# KiCad board Bus_Card.kicad_pcb (continued)
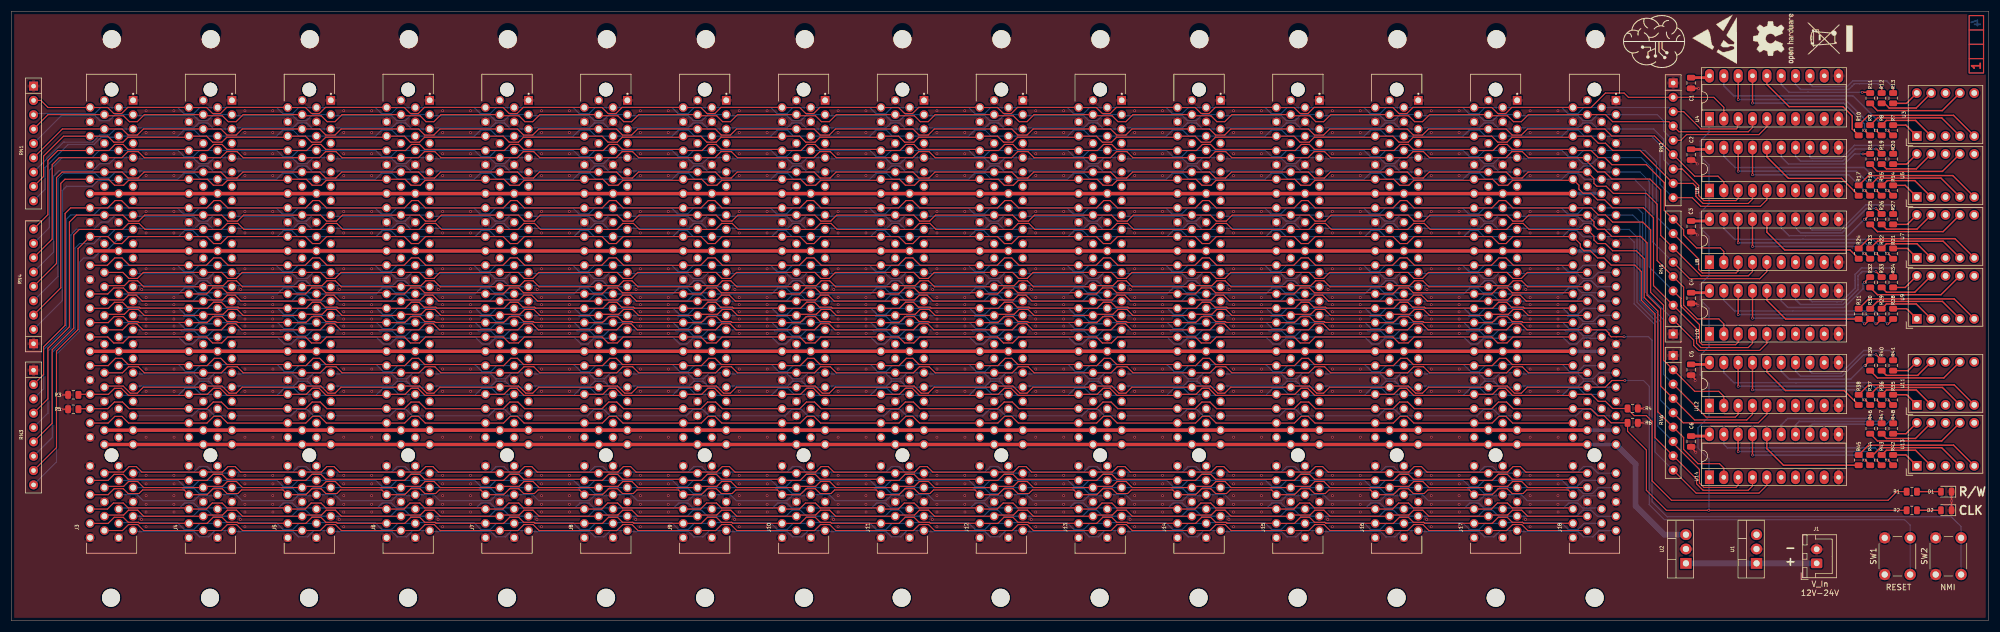
[diagram p0: board, top side]
## Nets (continued)
/RAM_2: J3.A55 J4.A55 J5.A55 J6.A55 J7.A55 J8.A55 J9.A55 J10.A55 J11.A55 J12.A55 J13.A55 J14.A55 J15.A55 J16.A55 J17.A55 J18.A55
/RAM_3: J3.A56 J4.A56 J5.A56 J6.A56 J7.A56 J8.A56 J9.A56 J10.A56 J11.A56 J12.A56 J13.A56 J14.A56 J15.A56 J16.A56 J17.A56 J18.A56
/RAM_4: J3.A58 J4.A58 J5.A58 J6.A58 J7.A58 J8.A58 J9.A58 J10.A58 J11.A58 J12.A58 J13.A58 J14.A58 J15.A58 J16.A58 J17.A58 J18.A58
/RAM_5: J3.A59 J4.A59 J5.A59 J6.A59 J7.A59 J8.A59 J9.A59 J10.A59 J11.A59 J12.A59 J13.A59 J14.A59 J15.A59 J16.A59 J17.A59 J18.A59
/RAM_6: J3.A60 J4.A60 J5.A60 J6.A60 J7.A60 J8.A60 J9.A60 J10.A60 J11.A60 J12.A60 J13.A60 J14.A60 J15.A60 J16.A60 J17.A60 J18.A60
/RAM_7: J3.A61 J4.A61 J5.A61 J6.A61 J7.A61 J8.A61 J9.A61 J10.A61 J11.A61 J12.A61 J13.A61 J14.A61 J15.A61 J16.A61 J17.A61 J18.A61
/ROM_0: J3.B53 J4.B53 J5.B53 J6.B53 J7.B53 J8.B53 J9.B53 J10.B53 J11.B53 J12.B53 J13.B53 J14.B53 J15.B53 J16.B53 J17.B53 J18.B53
/ROM_1: J3.B54 J4.B54 J5.B54 J6.B54 J7.B54 J8.B54 J9.B54 J10.B54 J11.B54 J12.B54 J13.B54 J14.B54 J15.B54 J16.B54 J17.B54 J18.B54
/ROM_2: J3.B55 J4.B55 J5.B55 J6.B55 J7.B55 J8.B55 J9.B55 J10.B55 J11.B55 J12.B55 J13.B55 J14.B55 J15.B55 J16.B55 J17.B55 J18.B55
/ROM_3: J3.B56 J4.B56 J5.B56 J6.B56 J7.B56 J8.B56 J9.B56 J10.B56 J11.B56 J12.B56 J13.B56 J14.B56 J15.B56 J16.B56 J17.B56 J18.B56
/ROM_4: J3.B58 J4.B58 J5.B58 J6.B58 J7.B58 J8.B58 J9.B58 J10.B58 J11.B58 J12.B58 J13.B58 J14.B58 J15.B58 J16.B58 J17.B58 J18.B58
/ROM_5: J3.B59 J4.B59 J5.B59 J6.B59 J7.B59 J8.B59 J9.B59 J10.B59 J11.B59 J12.B59 J13.B59 J14.B59 J15.B59 J16.B59 J17.B59 J18.B59
/ROM_6: J3.B60 J4.B60 J5.B60 J6.B60 J7.B60 J8.B60 J9.B60 J10.B60 J11.B60 J12.B60 J13.B60 J14.B60 J15.B60 J16.B60 J17.B60 J18.B60
/ROM_7: J3.B61 J4.B61 J5.B61 J6.B61 J7.B61 J8.B61 J9.B61 J10.B61 J11.B61 J12.B61 J13.B61 J14.B61 J15.B61 J16.B61 J17.B61 J18.B61
/SYNC/VPA: J3.A38 J4.A38 J5.A38 J6.A38 J7.A38 J8.A38 J9.A38 J10.A38 J11.A38 J12.A38 J13.A38 J14.A38 J15.A38 J16.A38 J17.A38 J18.A38
/~{BE}: J3.A42 J4.A42 J5.A42 J6.A42 J7.A42 J8.A42 J9.A42 J10.A42 J11.A42 J12.A42 J13.A42 J14.A42 J15.A42 J16.A42 J17.A42 J18.A42
/~{H_RAM}: J3.B25 J4.B25 J5.B25 J6.B25 J7.B25 J8.B25 J9.B25 J10.B25 J11.B25 J12.B25 J13.B25 J14.B25 J15.B25 J16.B25 J17.B25 J18.B25
/~{IO}: J3.A24 J4.A24 J5.A24 J6.A24 J7.A24 J8.A24 J9.A24 J10.A24 J11.A24 J12.A24 J13.A24 J14.A24 J15.A24 J16.A24 J17.A24 J18.A24
/~{IRQ_0.0}: J3.A27 J4.A27 J5.A27 J6.A27 J7.A27 J8.A27 J9.A27 J10.A27 J11.A27 J12.A27 J13.A27 J14.A27 J15.A27 J16.A27 J17.A27 J18.A27
/~{IRQ_0.1}: J3.A28 J4.A28 J5.A28 J6.A28 J7.A28 J8.A28 J9.A28 J10.A28 J11.A28 J12.A28 J13.A28 J14.A28 J15.A28 J16.A28 J17.A28 J18.A28
/~{IRQ_0.2}: J3.A29 J4.A29 J5.A29 J6.A29 J7.A29 J8.A29 J9.A29 J10.A29 J11.A29 J12.A29 J13.A29 J14.A29 J15.A29 J16.A29 J17.A29 J18.A29
/~{IRQ_0.3}: J3.A30 J4.A30 J5.A30 J6.A30 J7.A30 J8.A30 J9.A30 J10.A30 J11.A30 J12.A30 J13.A30 J14.A30 J15.A30 J16.A30 J17.A30 J18.A30
/~{IRQ_0.4}: J3.A31 J4.A31 J5.A31 J6.A31 J7.A31 J8.A31 J9.A31 J10.A31 J11.A31 J12.A31 J13.A31 J14.A31 J15.A31 J16.A31 J17.A31 J18.A31
/~{IRQ_0.5}: J3.A32 J4.A32 J5.A32 J6.A32 J7.A32 J8.A32 J9.A32 J10.A32 J11.A32 J12.A32 J13.A32 J14.A32 J15.A32 J16.A32 J17.A32 J18.A32
/~{IRQ_0.6}: J3.A33 J4.A33 J5.A33 J6.A33 J7.A33 J8.A33 J9.A33 J10.A33 J11.A33 J12.A33 J13.A33 J14.A33 J15.A33 J16.A33 J17.A33 J18.A33
/~{IRQ_0.7}: J3.A34 J4.A34 J5.A34 J6.A34 J7.A34 J8.A34 J9.A34 J10.A34 J11.A34 J12.A34 J13.A34 J14.A34 J15.A34 J16.A34 J17.A34 J18.A34
/~{IRQ_0}: J3.B28 J4.B28 J5.B28 J6.B28 J7.B28 J8.B28 J9.B28 J10.B28 J11.B28 J12.B28 J13.B28 J14.B28 J15.B28 J16.B28 J17.B28 J18.B28
/~{IRQ_1}: J3.B29 J4.B29 J5.B29 J6.B29 J7.B29 J8.B29 J9.B29 J10.B29 J11.B29 J12.B29 J13.B29 J14.B29 J15.B29 J16.B29 J17.B29 J18.B29
/~{IRQ_2}: J3.B30 J4.B30 J5.B30 J6.B30 J7.B30 J8.B30 J9.B30 J10.B30 J11.B30 J12.B30 J13.B30 J14.B30 J15.B30 J16.B30 J17.B30 J18.B30
/~{IRQ_3}: J3.B31 J4.B31 J5.B31 J6.B31 J7.B31 J8.B31 J9.B31 J10.B31 J11.B31 J12.B31 J13.B31 J14.B31 J15.B31 J16.B31 J17.B31 J18.B31
/~{IRQ_4}: J3.B32 J4.B32 J5.B32 J6.B32 J7.B32 J8.B32 J9.B32 J10.B32 J11.B32 J12.B32 J13.B32 J14.B32 J15.B32 J16.B32 J17.B32 J18.B32
/~{IRQ}: J3.B27 J4.B27 J5.B27 J6.B27 J7.B27 J8.B27 J9.B27 J10.B27 J11.B27 J12.B27 J13.B27 J14.B27 J15.B27 J16.B27 J17.B27 J18.B27
/~{L_RAM}: J3.B24 J4.B24 J5.B24 J6.B24 J7.B24 J8.B24 J9.B24 J10.B24 J11.B24 J12.B24 J13.B24 J14.B24 J15.B24 J16.B24 J17.B24 J18.B24
/~{ML}: J3.B39 J4.B39 J5.B39 J6.B39 J7.B39 J8.B39 J9.B39 J10.B39 J11.B39 J12.B39 J13.B39 J14.B39 J15.B39 J16.B39 J17.B39 J18.B39
/~{NMI}: J3.B33 J4.B33 J5.B33 J6.B33 J7.B33 J8.B33 J9.B33 J10.B33 J11.B33 J12.B33 J13.B33 J14.B33 J15.B33 J16.B33 J17.B33 J18.B33 SW2.2
/~{RDY}: J3.A41 J4.A41 J5.A41 J6.A41 J7.A41 J8.A41 J9.A41 J10.A41 J11.A41 J12.A41 J13.A41 J14.A41 J15.A41 J16.A41 J17.A41 J18.A41
/~{RES}: J3.B41 J4.B41 J5.B41 J6.B41 J7.B41 J8.B41 J9.B41 J10.B41 J11.B41 J12.B41 J13.B41 J14.B41 J15.B41 J16.B41 J17.B41 J18.B41 SW1.2
/~{ROM}: J3.A25 J4.A25 J5.A25 J6.A25 J7.A25 J8.A25 J9.A25 J10.A25 J11.A25 J12.A25 J13.A25 J14.A25 J15.A25 J16.A25 J17.A25 J18.A25
/~{VP}: J3.B38 J4.B38 J5.B38 J6.B38 J7.B38 J8.B38 J9.B38 J10.B38 J11.B38 J12.B38 J13.B38 J14.B38 J15.B38 J16.B38 J17.B38 J18.B38
VDC: J1.1 U1.1 U2.1
Net-(D1-A): D1.2 R1.2
Net-(D2-A): D2.2 R2.2
Net-(U3-A): R13.2 U3.10
Net-(U3-B): R12.2 U3.9
Net-(U3-C): R11.2 U3.7
Net-(U3-D): R10.2 U3.5
Net-(U3-E): R9.2 U3.4
Net-(U3-F): R8.2 U3.2
Net-(U3-G): R7.2 U3.1
Net-(U4-I03): R9.1 U4.17
Net-(U4-IO1): R7.1 U4.19
Net-(U4-IO2): R8.1 U4.18
Net-(U4-IO4): R10.1 U4.16
Net-(U4-IO5): R11.1 U4.15
Net-(U4-IO6): R12.1 U4.14
Net-(U4-IO7): R13.1 U4.13
Net-(U5-A): R20.2 U5.10
Net-(U5-B): R19.2 U5.9
Net-(U5-C): R18.2 U5.7
Net-(U5-D): R17.2 U5.5
Net-(U5-E): R16.2 U5.4
Net-(U5-F): R15.2 U5.2
Net-(U5-G): R14.2 U5.1
Net-(U6-I03): R16.1 U6.17
Net-(U6-IO1): R14.1 U6.19
Net-(U6-IO2): R15.1 U6.18
Net-(U6-IO4): R17.1 U6.16
Net-(U6-IO5): R18.1 U6.15
Net-(U6-IO6): R19.1 U6.14
Net-(U6-IO7): R20.1 U6.13
Net-(U7-A): R27.2 U7.10
Net-(U7-B): R26.2 U7.9
Net-(U7-C): R25.2 U7.7
Net-(U7-D): R24.2 U7.5
Net-(U7-E): R23.2 U7.4
Net-(U7-F): R22.2 U7.2
Net-(U7-G): R21.2 U7.1
Net-(U8-I03): R23.1 U8.17
Net-(U8-IO1): R21.1 U8.19
Net-(U8-IO2): R22.1 U8.18
Net-(U8-IO4): R24.1 U8.16
Net-(U8-IO5): R25.1 U8.15
Net-(U8-IO6): R26.1 U8.14
Net-(U8-IO7): R27.1 U8.13
Net-(U9-A): R34.2 U9.10
Net-(U9-B): R33.2 U9.9
Net-(U9-C): R32.2 U9.7
Net-(U9-D): R31.2 U9.5
Net-(U9-E): R30.2 U9.4
Net-(U9-F): R29.2 U9.2
Net-(U9-G): R28.2 U9.1
Net-(U10-I03): R30.1 U10.17
Net-(U10-IO1): R28.1 U10.19
Net-(U10-IO2): R29.1 U10.18
Net-(U10-IO4): R31.1 U10.16
Net-(U10-IO5): R32.1 U10.15
Net-(U10-IO6): R33.1 U10.14
Net-(U10-IO7): R34.1 U10.13
Net-(U11-A): R41.2 U11.10
Net-(U11-B): R40.2 U11.9
Net-(U11-C): R39.2 U11.7
Net-(U11-D): R38.2 U11.5
Net-(U11-E): R37.2 U11.4
Net-(U11-F): R36.2 U11.2
Net-(U11-G): R35.2 U11.1
Net-(U12-I03): R37.1 U12.17
Net-(U12-IO1): R35.1 U12.19
Net-(U12-IO2): R36.1 U12.18
Net-(U12-IO4): R38.1 U12.16
Net-(U12-IO5): R39.1 U12.15
Net-(U12-IO6): R40.1 U12.14
Net-(U12-IO7): R41.1 U12.13
Net-(U13-A): R48.2 U13.10
Net-(U13-B): R47.2 U13.9
Net-(U13-C): R46.2 U13.7
Net-(U13-D): R45.2 U13.5
Net-(U13-E): R44.2 U13.4
Net-(U13-F): R43.2 U13.2
Net-(U13-G): R42.2 U13.1
Net-(U14-I03): R44.1 U14.17
Net-(U14-IO1): R42.1 U14.19
Net-(U14-IO2): R43.1 U14.18
Net-(U14-IO4): R45.1 U14.16
Net-(U14-IO5): R46.1 U14.15
Net-(U14-IO6): R47.1 U14.14
Net-(U14-IO7): R48.1 U14.13

Pads without a net: U3 6; U4 6 7 8 9 12; U5 6; U6 6 7 8 9 12; U7 6; U8 6 7 8 9 12; U9 6; U10 6 7 8 9 12; U11 6; U12 6 7 8 9 12; U13 6; U14 6 7 8 9 12

## Via types
v1: diameter 0.46, hole 0.3, Top to Bottom, 752 vias

## Routing (per net, layer and track width the routed paths; a pad name or vN(x,y) marks a point on that pad's centre or on a via; arc(x,y) is an arc through that point)
+5V: length 2119.9
  Top w0.5: C4.1 300.21,58.1 300.53,58.42 ; C6.1 300.21,32.7 300.53,33.02 ; 300.53,83.82 300.21,83.5 C2.1 ; 300.53,45.73 300.2,45.4 C5.1 ; 300.53,96.52 300.21,96.2 C1.1 ; 300.53,71.12 300.21,70.8 C3.1
  Top w0.6: J3.B47 J4.B47 J5.B47 J6.B47 J7.B47 J8.B47 J9.B47 J10.B47 J11.B47 J12.B47 J13.B47 J14.B47 J15.B47 J16.B47 J17.B47 J18.B47 ; J3.B14 J4.B14 J5.B14 J6.B14 J7.B14 J8.B14 J9.B14 J10.B14 J11.B14 J12.B14 J13.B14 J14.B14 J15.B14 J16.B14 J17.B14 J18.B14 ; J18.B22 J17.B22 J16.B22 J15.B22 J14.B22 J13.B22 J12.B22 J11.B22 J10.B22 J9.B22 J8.B22 J7.B22 J6.B22 J5.B22 J4.B22 J3.B22 ; J18.B36 J17.B36 J16.B36 J15.B36 J14.B36 J13.B36 J12.B36 J11.B36 J10.B36 J9.B36 J8.B36 J7.B36 J6.B36 J5.B36 J4.B36 J3.B36
  Bottom w0.6: J3.A22 J4.A22 J5.A22 J6.A22 J7.A22 J8.A22 J9.A22 J10.A22 J11.A22 J12.A22 J13.A22 J14.A22 J15.A22 J16.A22 J17.A22 J18.A22 ; J3.A14 J4.A14 J5.A14 J6.A14 J7.A14 J8.A14 J9.A14 J10.A14 J11.A14 J12.A14 J13.A14 J14.A14 J15.A14 J16.A14 J17.A14 J18.A14 ; J3.A47 J4.A47 J5.A47 J6.A47 J7.A47 J8.A47 J9.A47 J10.A47 J11.A47 J12.A47 J13.A47 J14.A47 J15.A47 J16.A47 J17.A47 J18.A47 ; J3.A36 J4.A36 J5.A36 J6.A36 J7.A36 J8.A36 J9.A36 J10.A36 J11.A36 J12.A36 J13.A36 J14.A36 J15.A36 J16.A36 J17.A36 J18.A36
+9V: length 548.3
  Top w0.6: J18.B49 J17.B49 J16.B49 J15.B49 J14.B49 J13.B49 J12.B49 J11.B49 J10.B49 J9.B49 J8.B49 J7.B49 J6.B49 J5.B49 J4.B49 J3.B49
  Bottom w0.6: J3.A49 J4.A49 J5.A49 J6.A49 J7.A49 J8.A49 J9.A49 J10.A49 J11.A49 J12.A49 J13.A49 J14.A49 J15.A49 J16.A49 J17.A49 J18.A49
  Bottom w1: U2.3 292.61,15.24 287.53,20.32 287.53,27.74 J18.A49
GND: length 15.9
  Top w0.2: R3.2 v1(8.89,40) ; R5.2 v1(8.89,37.46)
  Top w0.25: R4.2 v1(289.05,37.59) ; C2.2 297.75,81.6 v1(298.45,80.9) ; v1(298.58,55.88) 298.26,56.2 C4.2 ; D2.1 343.46,21.15 v1(343.51,21.21) 343.46,21.26 D1.1 ; C6.2 297.35,30.69 v1(298.2,29.84) ; C1.2 298.64,94.3 v1(298.7,94.23) ; C3.2 297.88,68.9 v1(298.45,68.33) ; C5.2 298.07,42.78 v1(298.07,42.54) ; R6.2 v1(289.05,35.05)
  vias: v1(23.05,17.93) v1(23.1,58.67) v1(23.86,90.32) v1(23.86,86.46) v1(23.86,82.7) v1(23.86,78.84) v1(23.86,72.49) v1(23.86,68.68) v1(23.86,62.33) v1(23.86,57.25) v1(23.86,55.98) v1(23.86,54.71) v1(23.86,53.44) v1(23.86,52.2) v1(23.86,50.9) v1(23.86,44.58) v1(23.86,40.64) v1(23.86,32.51) v1(23.86,25.76) v1(23.86,24.23) v1(23.86,22.15) v1(23.86,20.62) v1(23.86,19.25) v1(23.86,16.64) v1(28.79,90.32) v1(28.79,86.46) v1(28.79,82.7) v1(28.79,78.84) v1(28.79,72.49) v1(28.79,68.68) v1(28.79,62.33) v1(28.79,57.25) v1(28.79,55.98) v1(28.79,54.71) v1(28.79,53.44) v1(28.79,25.76) v1(28.79,22.15) v1(28.79,20.62) v1(28.81,52.2) v1(28.81,50.9) v1(28.81,44.58) v1(28.81,40.64) v1(28.81,32.51) v1(28.81,24.23) v1(28.81,19.25) v1(28.81,16.64) v1(40.55,17.93) v1(40.6,58.67) v1(41.36,90.32) v1(41.36,86.46) v1(41.36,82.7) v1(41.36,78.84) v1(41.36,72.49) v1(41.36,68.68) v1(41.36,62.33) v1(41.36,57.25) v1(41.36,55.98) v1(41.36,54.71) v1(41.36,53.44) v1(41.36,52.2) v1(41.36,50.9) v1(41.36,44.58) v1(41.36,40.64) v1(41.36,32.51) v1(41.36,25.76) v1(41.36,24.23) v1(41.36,22.15) v1(41.36,20.62) v1(41.36,19.25) v1(41.36,16.64) v1(46.29,90.32) v1(46.29,86.46) v1(46.29,82.7) v1(46.29,78.84) v1(46.29,72.49) v1(46.29,68.68) v1(46.29,62.33) v1(46.29,57.25) v1(46.29,55.98) v1(46.29,54.71) v1(46.29,53.44) v1(46.29,25.76) v1(46.29,22.15) v1(46.29,20.62) v1(46.31,52.2) v1(46.31,50.9) v1(46.31,44.58) v1(46.31,40.64) v1(46.31,32.51) v1(46.31,24.23) v1(46.31,19.25) v1(46.31,16.64) v1(58.05,17.93) v1(58.1,58.67) v1(58.86,90.32) v1(58.86,86.46) v1(58.86,82.7) v1(58.86,78.84) v1(58.86,72.49) v1(58.86,68.68) v1(58.86,62.33) v1(58.86,57.25) v1(58.86,55.98) v1(58.86,54.71) v1(58.86,53.44) v1(58.86,52.2) v1(58.86,50.9) v1(58.86,44.58) v1(58.86,40.64) v1(58.86,32.51) v1(58.86,25.76) v1(58.86,24.23) v1(58.86,22.15) v1(58.86,20.62) v1(58.86,19.25) v1(58.86,16.64) v1(63.79,90.32) v1(63.79,86.46) v1(63.79,82.7) v1(63.79,78.84) v1(63.79,72.49) v1(63.79,68.68) v1(63.79,62.33) v1(63.79,57.25) v1(63.79,55.98) v1(63.79,54.71) v1(63.79,53.44) v1(63.79,25.76) v1(63.79,22.15) v1(63.79,20.62) v1(63.81,52.2) v1(63.81,50.9) v1(63.81,44.58) v1(63.81,40.64) v1(63.81,32.51) v1(63.81,24.23) v1(63.81,19.25) v1(63.81,16.64) v1(75.55,17.93) v1(75.6,58.67) v1(76.36,90.32) v1(76.36,86.46) v1(76.36,82.7) v1(76.36,78.84) v1(76.36,72.49) v1(76.36,68.68) v1(76.36,62.33) v1(76.36,57.25) v1(76.36,55.98) v1(76.36,54.71) v1(76.36,53.44) v1(76.36,52.2) v1(76.36,50.9) v1(76.36,44.58) v1(76.36,40.64) v1(76.36,32.51) v1(76.36,25.76) v1(76.36,24.23) v1(76.36,22.15) v1(76.36,20.62) v1(76.36,19.25) v1(76.36,16.64) v1(81.29,90.32) v1(81.29,86.46) v1(81.29,82.7) v1(81.29,78.84) v1(81.29,72.49) v1(81.29,68.68) v1(81.29,62.33) v1(81.29,57.25) v1(81.29,55.98) v1(81.29,54.71) v1(81.29,53.44) v1(81.29,25.76) v1(81.29,22.15) v1(81.29,20.62) v1(81.31,52.2) v1(81.31,50.9) v1(81.31,44.58) v1(81.31,40.64) v1(81.31,32.51) v1(81.31,24.23) v1(81.31,19.25) v1(81.31,16.64) v1(93.05,17.93) v1(93.1,58.67) v1(93.86,90.32) v1(93.86,86.46) v1(93.86,82.7) v1(93.86,78.84) v1(93.86,72.49) v1(93.86,68.68) v1(93.86,62.33) v1(93.86,57.25) v1(93.86,55.98) v1(93.86,54.71) v1(93.86,53.44) v1(93.86,52.2) v1(93.86,50.9) v1(93.86,44.58) v1(93.86,40.64) v1(93.86,32.51) v1(93.86,25.76) v1(93.86,24.23) v1(93.86,22.15) v1(93.86,20.62) v1(93.86,19.25) v1(93.86,16.64) v1(98.79,90.32) v1(98.79,86.46) v1(98.79,82.7) v1(98.79,78.84) v1(98.79,72.49) v1(98.79,68.68) v1(98.79,62.33) v1(98.79,57.25) v1(98.79,55.98) v1(98.79,54.71) v1(98.79,53.44) v1(98.79,25.76) v1(98.79,22.15) v1(98.79,20.62) v1(98.81,52.2) v1(98.81,50.9) v1(98.81,44.58) v1(98.81,40.64) v1(98.81,32.51) v1(98.81,24.23) v1(98.81,19.25) v1(98.81,16.64) v1(110.55,17.93) v1(110.6,58.67) v1(111.36,90.32) v1(111.36,86.46) v1(111.36,82.7) v1(111.36,78.84) v1(111.36,72.49) v1(111.36,68.68) v1(111.36,62.33) v1(111.36,57.25) v1(111.36,55.98) v1(111.36,54.71) v1(111.36,53.44) v1(111.36,52.2) v1(111.36,50.9) v1(111.36,44.58) v1(111.36,40.64) v1(111.36,32.51) v1(111.36,25.76) v1(111.36,24.23) v1(111.36,22.15) v1(111.36,20.62) v1(111.36,19.25) v1(111.36,16.64) v1(116.29,90.32) v1(116.29,86.46) v1(116.29,82.7) v1(116.29,78.84) v1(116.29,72.49) v1(116.29,68.68) v1(116.29,62.33) v1(116.29,57.25) v1(116.29,55.98) v1(116.29,54.71) v1(116.29,53.44) v1(116.29,25.76) v1(116.29,22.15) v1(116.29,20.62) v1(116.31,52.2) v1(116.31,50.9) v1(116.31,44.58) v1(116.31,40.64) v1(116.31,32.51) v1(116.31,24.23) v1(116.31,19.25) v1(116.31,16.64) v1(128.05,17.93) v1(128.1,58.67) v1(128.86,90.32) v1(128.86,86.46) v1(128.86,82.7) v1(128.86,78.84) v1(128.86,72.49) v1(128.86,68.68) v1(128.86,62.33) v1(128.86,57.25) v1(128.86,55.98) v1(128.86,54.71) v1(128.86,53.44) v1(128.86,52.2) v1(128.86,50.9) v1(128.86,44.58) v1(128.86,40.64) v1(128.86,32.51) v1(128.86,25.76) v1(128.86,24.23) v1(128.86,22.15) v1(128.86,20.62) v1(128.86,19.25) v1(128.86,16.64) v1(133.79,90.32) v1(133.79,86.46) v1(133.79,82.7) v1(133.79,78.84) v1(133.79,72.49) v1(133.79,68.68) v1(133.79,62.33) v1(133.79,57.25) v1(133.79,55.98) v1(133.79,54.71) v1(133.79,53.44) v1(133.79,25.76) v1(133.79,22.15) v1(133.79,20.62) v1(133.81,52.2) v1(133.81,50.9) v1(133.81,44.58) v1(133.81,40.64) v1(133.81,32.51) v1(133.81,24.23) v1(133.81,19.25) v1(133.81,16.64) v1(145.55,17.93) v1(145.6,58.67) v1(146.36,90.32) v1(146.36,86.46) v1(146.36,82.7) v1(146.36,78.84) v1(146.36,72.49) v1(146.36,68.68) v1(146.36,62.33) v1(146.36,57.25) v1(146.36,55.98) v1(146.36,54.71) v1(146.36,53.44) v1(146.36,52.2) v1(146.36,50.9) v1(146.36,44.58) v1(146.36,40.64) v1(146.36,32.51) v1(146.36,25.76) v1(146.36,24.23) v1(146.36,22.15) v1(146.36,20.62) v1(146.36,19.25) v1(146.36,16.64) v1(151.29,90.32) v1(151.29,86.46) v1(151.29,82.7) v1(151.29,78.84) v1(151.29,72.49) v1(151.29,68.68) v1(151.29,62.33) v1(151.29,57.25) v1(151.29,55.98) v1(151.29,54.71) v1(151.29,53.44) v1(151.29,25.76) v1(151.29,22.15) v1(151.29,20.62) v1(151.31,52.2) v1(151.31,50.9) v1(151.31,44.58) v1(151.31,40.64) v1(151.31,32.51) v1(151.31,24.23) v1(151.31,19.25) v1(151.31,16.64) v1(163.05,17.93) v1(163.1,58.67) v1(163.86,90.32) v1(163.86,86.46) v1(163.86,82.7) v1(163.86,78.84) v1(163.86,72.49) v1(163.86,68.68) v1(163.86,62.33) v1(163.86,57.25) v1(163.86,55.98) v1(163.86,54.71) v1(163.86,53.44) v1(163.86,52.2) v1(163.86,50.9) v1(163.86,44.58) v1(163.86,40.64) v1(163.86,32.51) v1(163.86,25.76) v1(163.86,24.23) v1(163.86,22.15) v1(163.86,20.62) v1(163.86,19.25) v1(163.86,16.64) v1(168.79,90.32) v1(168.79,86.46) v1(168.79,82.7) v1(168.79,78.84) v1(168.79,72.49) v1(168.79,68.68) v1(168.79,62.33) v1(168.79,57.25) v1(168.79,55.98) v1(168.79,54.71) v1(168.79,53.44) v1(168.79,25.76) v1(168.79,22.15) v1(168.79,20.62) v1(168.81,52.2) v1(168.81,50.9) v1(168.81,44.58) v1(168.81,40.64) v1(168.81,32.51) v1(168.81,24.23) v1(168.81,19.25) v1(168.81,16.64) v1(180.55,17.93) v1(180.6,58.67) v1(181.36,90.32) v1(181.36,86.46) v1(181.36,82.7) v1(181.36,78.84) v1(181.36,72.49) v1(181.36,68.68) v1(181.36,62.33) v1(181.36,57.25) v1(181.36,55.98) v1(181.36,54.71) v1(181.36,53.44) v1(181.36,52.2) v1(181.36,50.9) v1(181.36,44.58) v1(181.36,40.64) v1(181.36,32.51) v1(181.36,25.76) v1(181.36,24.23) v1(181.36,22.15) v1(181.36,20.62) v1(181.36,19.25) v1(181.36,16.64) v1(186.29,90.32) v1(186.29,86.46) v1(186.29,82.7) v1(186.29,78.84) v1(186.29,72.49) v1(186.29,68.68) v1(186.29,62.33) v1(186.29,57.25) v1(186.29,55.98) v1(186.29,54.71) v1(186.29,53.44) v1(186.29,25.76) v1(186.29,22.15) v1(186.29,20.62) v1(186.31,52.2) v1(186.31,50.9) v1(186.31,44.58) v1(186.31,40.64) v1(186.31,32.51) v1(186.31,24.23) v1(186.31,19.25) v1(186.31,16.64) v1(198.05,17.93) v1(198.1,58.67) v1(198.86,90.32) v1(198.86,86.46) v1(198.86,82.7) v1(198.86,78.84) v1(198.86,72.49) v1(198.86,68.68) v1(198.86,62.33) v1(198.86,57.25) v1(198.86,55.98) v1(198.86,54.71) v1(198.86,53.44) v1(198.86,52.2) v1(198.86,50.9) v1(198.86,44.58) v1(198.86,40.64) v1(198.86,32.51) v1(198.86,25.76) v1(198.86,24.23) v1(198.86,22.15) v1(198.86,20.62) v1(198.86,19.25) v1(198.86,16.64) v1(203.79,90.32) v1(203.79,86.46) v1(203.79,82.7) v1(203.79,78.84) v1(203.79,72.49) v1(203.79,68.68) v1(203.79,62.33) v1(203.79,57.25) v1(203.79,55.98) v1(203.79,54.71) v1(203.79,53.44) v1(203.79,25.76) v1(203.79,22.15) v1(203.79,20.62) v1(203.81,52.2) v1(203.81,50.9) v1(203.81,44.58) v1(203.81,40.64) v1(203.81,32.51) v1(203.81,24.23) v1(203.81,19.25) v1(203.81,16.64) v1(215.55,17.93) v1(215.6,58.67) v1(216.36,90.32) v1(216.36,86.46) v1(216.36,82.7) v1(216.36,78.84) v1(216.36,72.49) v1(216.36,68.68) v1(216.36,62.33) v1(216.36,57.25) v1(216.36,55.98) v1(216.36,54.71) v1(216.36,53.44) v1(216.36,52.2) v1(216.36,50.9) v1(216.36,44.58) v1(216.36,40.64) v1(216.36,32.51) v1(216.36,25.76) v1(216.36,24.23) v1(216.36,22.15) v1(216.36,20.62) v1(216.36,19.25) v1(216.36,16.64) v1(221.29,90.32) v1(221.29,86.46) v1(221.29,82.7) v1(221.29,78.84) v1(221.29,72.49) v1(221.29,68.68) v1(221.29,62.33) v1(221.29,57.25) v1(221.29,55.98) v1(221.29,54.71) v1(221.29,53.44) v1(221.29,25.76) v1(221.29,22.15) v1(221.29,20.62) v1(221.31,52.2) v1(221.31,50.9) v1(221.31,44.58) v1(221.31,40.64) v1(221.31,32.51) v1(221.31,24.23) v1(221.31,19.25) v1(221.31,16.64) v1(233.05,17.93) v1(233.1,58.67) v1(233.86,90.32) v1(233.86,86.46) v1(233.86,82.7) v1(233.86,78.84) v1(233.86,72.49) v1(233.86,68.68) v1(233.86,62.33) v1(233.86,57.25) v1(233.86,55.98) v1(233.86,54.71) v1(233.86,53.44) v1(233.86,52.2) v1(233.86,50.9) v1(233.86,44.58) v1(233.86,40.64) v1(233.86,32.51) v1(233.86,25.76) v1(233.86,24.23) v1(233.86,22.15) v1(233.86,20.62) v1(233.86,19.25) v1(233.86,16.64) v1(238.79,90.32) v1(238.79,86.46) v1(238.79,82.7) v1(238.79,78.84) v1(238.79,72.49) v1(238.79,68.68) v1(238.79,62.33) v1(238.79,57.25) v1(238.79,55.98) v1(238.79,54.71) v1(238.79,53.44) v1(238.79,25.76) v1(238.79,22.15) v1(238.79,20.62) v1(238.81,52.2) v1(238.81,50.9) v1(238.81,44.58) v1(238.81,40.64) v1(238.81,32.51) v1(238.81,24.23) v1(238.81,19.25) v1(238.81,16.64) v1(250.55,17.93) v1(250.6,58.67) v1(251.36,90.32) v1(251.36,86.46) v1(251.36,82.7) v1(251.36,78.84) v1(251.36,72.49) v1(251.36,68.68) v1(251.36,62.33) v1(251.36,57.25) v1(251.36,55.98) v1(251.36,54.71) v1(251.36,53.44) v1(251.36,52.2) v1(251.36,50.9) v1(251.36,44.58) v1(251.36,40.64) v1(251.36,32.51) v1(251.36,25.76) v1(251.36,24.23) v1(251.36,22.15) v1(251.36,20.62) v1(251.36,19.25) v1(251.36,16.64) v1(256.29,90.32) v1(256.29,86.46) v1(256.29,82.7) v1(256.29,78.84) v1(256.29,72.49) v1(256.29,68.68) v1(256.29,62.33) v1(256.29,57.25) v1(256.29,55.98) v1(256.29,54.71) v1(256.29,53.44) v1(256.29,25.76) v1(256.29,22.15) v1(256.29,20.62) v1(256.31,52.2) v1(256.31,50.9) v1(256.31,44.58) v1(256.31,40.64) v1(256.31,32.51) v1(256.31,24.23) v1(256.31,19.25) v1(256.31,16.64) v1(268.05,17.93) v1(268.1,58.67) v1(268.86,90.32) v1(268.86,86.46) v1(268.86,82.7) v1(268.86,78.84) v1(268.86,72.49) v1(268.86,68.68) v1(268.86,62.33) v1(268.86,57.25) v1(268.86,55.98) v1(268.86,54.71) v1(268.86,53.44) v1(268.86,52.2) v1(268.86,50.9) v1(268.86,44.58) v1(268.86,40.64) v1(268.86,32.51) v1(268.86,25.76) v1(268.86,24.23) v1(268.86,22.15) v1(268.86,20.62) v1(268.86,19.25) v1(268.86,16.64) v1(273.79,90.32) v1(273.79,86.46) v1(273.79,82.7) v1(273.79,78.84) v1(273.79,72.49) v1(273.79,68.68) v1(273.79,62.33) v1(273.79,57.25) v1(273.79,55.98) v1(273.79,54.71) v1(273.79,53.44) v1(273.79,25.76) v1(273.79,22.15) v1(273.79,20.62) v1(273.81,52.2) v1(273.81,50.9) v1(273.81,44.58) v1(273.81,40.64) v1(273.81,32.51) v1(273.81,24.23) v1(273.81,19.25) v1(273.81,16.64)
/A0: length 317.9
  Top w0.2: 31.42,90.93 J4.B2 ; 31.42,90.93 J4.B2 ; 31.42,90.93 20.63,90.93 19.54,89.84 18.13,89.84 17.07,90.91 J3.B2 ; J4.B2 34.57,90.91 35.63,89.84 37.04,89.84 38.13,90.93 48.92,90.93 ; 223.92,90.93 213.13,90.93 212.04,89.84 210.63,89.84 209.57,90.91 J14.B2 ; 223.92,90.93 J15.B2 ; 223.92,90.93 J15.B2 ; 48.92,90.93 J5.B2 ; 48.92,90.93 J5.B2 ; J5.B2 52.07,90.91 53.13,89.84 54.54,89.84 55.63,90.93 66.42,90.93 ; 241.42,90.93 J16.B2 ; 241.42,90.93 230.63,90.93 229.54,89.84 228.14,89.84 227.07,90.91 J15.B2 ; 241.42,90.93 J16.B2 ; J16.B2 244.57,90.91 245.64,89.84 247.04,89.84 248.13,90.93 258.92,90.93 ; 83.92,90.93 J7.B2 ; 83.92,90.93 73.13,90.93 72.04,89.84 70.63,89.84 69.57,90.91 J6.B2 ; 83.92,90.93 J7.B2 ; J7.B2 87.07,90.91 88.13,89.84 89.54,89.84 90.63,90.93 101.42,90.93 ; J11.B2 157.07,90.91 158.13,89.84 159.54,89.84 160.63,90.93 171.42,90.93 ; J11.B2 153.92,90.93 ; J11.B2 153.92,90.93 ; 171.42,90.93 J12.B2 ; 171.42,90.93 J12.B2 ; J12.B2 174.57,90.91 175.63,89.84 177.04,89.84 178.13,90.93 188.92,90.93 ; 188.92,90.93 J13.B2 ; 188.92,90.93 J13.B2 ; J13.B2 192.07,90.91 193.13,89.84 194.54,89.84 195.63,90.93 206.42,90.93 ; J10.B2 139.57,90.91 140.63,89.84 142.04,89.84 143.13,90.93 153.92,90.93 ; J10.B2 136.42,90.93 ; J10.B2 136.42,90.93 ; 136.42,90.93 125.63,90.93 124.54,89.84 123.13,89.84 122.07,90.91 J9.B2 ; J3.B2 6.5,90.91 5.25,92.16 RN1.2 ; J3.B2 13.92,90.93 ; 101.42,90.93 J8.B2 ; 101.42,90.93 J8.B2 ; J8.B2 104.57,90.91 105.63,89.84 107.04,89.84 108.13,90.93 118.92,90.93 ; 118.92,90.93 J9.B2 ; 118.92,90.93 J9.B2 ; J14.B2 206.42,90.93 ; J14.B2 206.42,90.93 ; 258.92,90.93 J17.B2 ; 258.92,90.93 J17.B2 ; J17.B2 262.07,90.91 263.14,89.84 264.54,89.84 265.63,90.93 276.42,90.93 J18.B2 279.63,90.91 282.19,93.47 285.5,93.47 286.26,92.71 RN2.2 301.37,92.71 303.15,90.93 303.15,88.97 303.07,88.9 ; 66.42,90.93 J6.B2 ; 66.42,90.93 J6.B2
/A1: length 318.6
  Top w0.2: 305.61,88.9 305.61,87.38 305.36,87.12 299.09,87.12 296.04,90.17 RN2.3
  Bottom w0.2: RN2.3 293.44,90.91 J18.A2 278.37,90.91 277.3,89.84 275.52,89.84 274.45,90.91 J17.A2 260.87,90.91 259.8,89.84 258.02,89.84 256.95,90.91 J16.A2 243.37,90.91 242.3,89.84 240.52,89.84 239.45,90.91 J15.A2 225.87,90.91 224.8,89.84 223.02,89.84 221.95,90.91 J14.A2 208.37,90.91 207.3,89.84 205.52,89.84 204.45,90.91 J13.A2 190.87,90.91 189.8,89.84 188.02,89.84 186.95,90.91 J12.A2 173.37,90.91 172.3,89.84 170.52,89.84 169.45,90.91 J11.A2 155.87,90.91 154.8,89.84 153.02,89.84 151.95,90.91 J10.A2 138.37,90.91 137.3,89.84 135.52,89.84 134.45,90.91 J9.A2 120.87,90.91 119.8,89.84 118.02,89.84 116.95,90.91 J8.A2 103.37,90.91 102.3,89.84 100.52,89.84 99.45,90.91 J7.A2 85.87,90.91 84.8,89.84 83.02,89.84 81.95,90.91 J6.A2 68.37,90.91 67.3,89.84 65.52,89.84 64.45,90.91 J5.A2 50.87,90.91 49.8,89.84 48.02,89.84 46.95,90.91 J4.A2 33.37,90.91 32.3,89.84 30.52,89.84 29.45,90.91 J3.A2 15.85,90.91 14.79,89.84 4.16,89.84 RN1.3
/A2: length 324
  Top w0.2: 308.15,88.9 308.23,88.82 308.23,87.38 307.47,86.61 295.19,86.61 RN2.4 293.42,88.39 283.46,88.39 282.22,89.64 J18.B3 268.55,89.64 267.3,88.39 265.91,88.39 264.86,89.44 261.67,89.44 J17.B3 251.05,89.64 249.8,88.39 248.41,88.39 247.36,89.44 244.17,89.44 J16.B3 233.55,89.64 232.3,88.39 230.91,88.39 229.86,89.44 226.67,89.44 J15.B3 216.05,89.64 214.8,88.39 213.41,88.39 212.36,89.44 209.17,89.44 J14.B3 198.55,89.64 197.3,88.39 195.91,88.39 194.86,89.44 191.67,89.44 J13.B3 181.05,89.64 179.8,88.39 178.41,88.39 177.36,89.44 174.17,89.44 J12.B3 163.55,89.64 162.3,88.39 160.91,88.39 159.86,89.44 156.67,89.44 J11.B3 146.05,89.64 144.8,88.39 143.41,88.39 142.36,89.44 139.17,89.44 J10.B3 128.55,89.64 127.3,88.39 125.91,88.39 124.86,89.44 121.67,89.44 J9.B3 111.05,89.64 109.8,88.39 108.41,88.39 107.36,89.44 104.17,89.44 J8.B3 93.55,89.64 92.3,88.39 90.91,88.39 89.86,89.44 86.67,89.44 J7.B3 76.05,89.64 74.8,88.39 73.41,88.39 72.36,89.44 69.17,89.44 J6.B3 58.55,89.64 57.3,88.39 55.91,88.39 54.86,89.44 51.67,89.44 J5.B3 41.05,89.64 39.8,88.39 38.41,88.39 37.36,89.44 34.17,89.44 J4.B3 23.55,89.64 22.3,88.39 20.91,88.39 19.86,89.44 16.67,89.44 J3.B3 6.5,89.64 RN1.4
/A3: length 328.5
  Top w0.2: 310.69,88.9 310.77,88.82 310.77,87.5 309.37,86.11 296.55,86.11 295.53,85.09 RN2.5
  Bottom w0.2: RN2.5 292.48,86.79 292.48,88.52 291.36,89.64 J18.A3 280.82,89.64 279.76,88.57 278.21,88.57 277.34,89.44 266.75,89.44 J17.A3 263.32,89.64 262.26,88.57 260.71,88.57 259.84,89.44 249.25,89.44 J16.A3 245.82,89.64 244.76,88.57 243.21,88.57 242.34,89.44 231.75,89.44 J15.A3 228.32,89.64 227.26,88.57 225.71,88.57 224.84,89.44 214.25,89.44 J14.A3 210.82,89.64 209.76,88.57 208.21,88.57 207.34,89.44 196.75,89.44 J13.A3 193.32,89.64 192.26,88.57 190.71,88.57 189.84,89.44 179.25,89.44 J12.A3 175.82,89.64 174.76,88.57 173.21,88.57 172.34,89.44 161.75,89.44 J11.A3 158.32,89.64 157.26,88.57 155.71,88.57 154.84,89.44 144.25,89.44 J10.A3 140.82,89.64 139.76,88.57 138.21,88.57 137.34,89.44 126.75,89.44 J9.A3 123.32,89.64 122.26,88.57 120.71,88.57 119.84,89.44 109.25,89.44 J8.A3 105.82,89.64 104.76,88.57 103.21,88.57 102.34,89.44 91.75,89.44 J7.A3 88.32,89.64 87.26,88.57 85.71,88.57 84.84,89.44 74.25,89.44 J6.A3 70.82,89.64 69.76,88.57 68.21,88.57 67.34,89.44 56.75,89.44 J5.A3 53.32,89.64 52.26,88.57 50.71,88.57 49.84,89.44 39.25,89.44 J4.A3 35.82,89.64 34.76,88.57 33.21,88.57 32.34,89.44 21.75,89.44 ; 21.75,89.44 J3.A3 ; 21.75,89.44 J3.A3 ; J3.A3 18.39,89.64 17.33,88.57 15.69,88.57 14.83,89.43 8.83,89.43 RN1.5
/A4: length 320
  Top w0.2: RN1.6 9.04,87.1 J3.B5 19.61,87.1 20.67,86.03 22.31,86.03 23.38,87.1 J4.B5 37.11,87.1 38.18,86.03 39.81,86.03 40.88,87.1 J5.B5 54.61,87.1 55.68,86.03 57.31,86.03 58.38,87.1 J6.B5 72.11,87.1 73.18,86.03 74.81,86.03 75.88,87.1 J7.B5 89.61,87.1 90.67,86.03 92.31,86.03 93.38,87.1 J8.B5 107.11,87.1 108.17,86.03 109.81,86.03 110.88,87.1 J9.B5 124.61,87.1 125.67,86.03 127.31,86.03 128.38,87.1 J10.B5 142.11,87.1 143.17,86.03 144.81,86.03 145.88,87.1 J11.B5 159.61,87.1 160.67,86.03 162.31,86.03 163.38,87.1 J12.B5 177.11,87.1 178.17,86.03 179.81,86.03 180.88,87.1 J13.B5 194.61,87.1 195.67,86.03 197.31,86.03 198.38,87.1 J14.B5 212.11,87.1 213.17,86.03 214.81,86.03 215.88,87.1 J15.B5 229.61,87.1 230.67,86.03 232.31,86.03 233.38,87.1 J16.B5 247.11,87.1 248.17,86.03 249.81,86.03 250.88,87.1 J17.B5 264.61,87.1 265.68,86.03 267.31,86.03 268.38,87.1 J18.B5 282.09,87.1 283.34,85.85 290.88,85.85 RN2.6 297.99,78.74 302.13,78.74 303.15,77.72 303.15,76.27 303.07,76.2
